# KiCad board panel.kicad_pcb
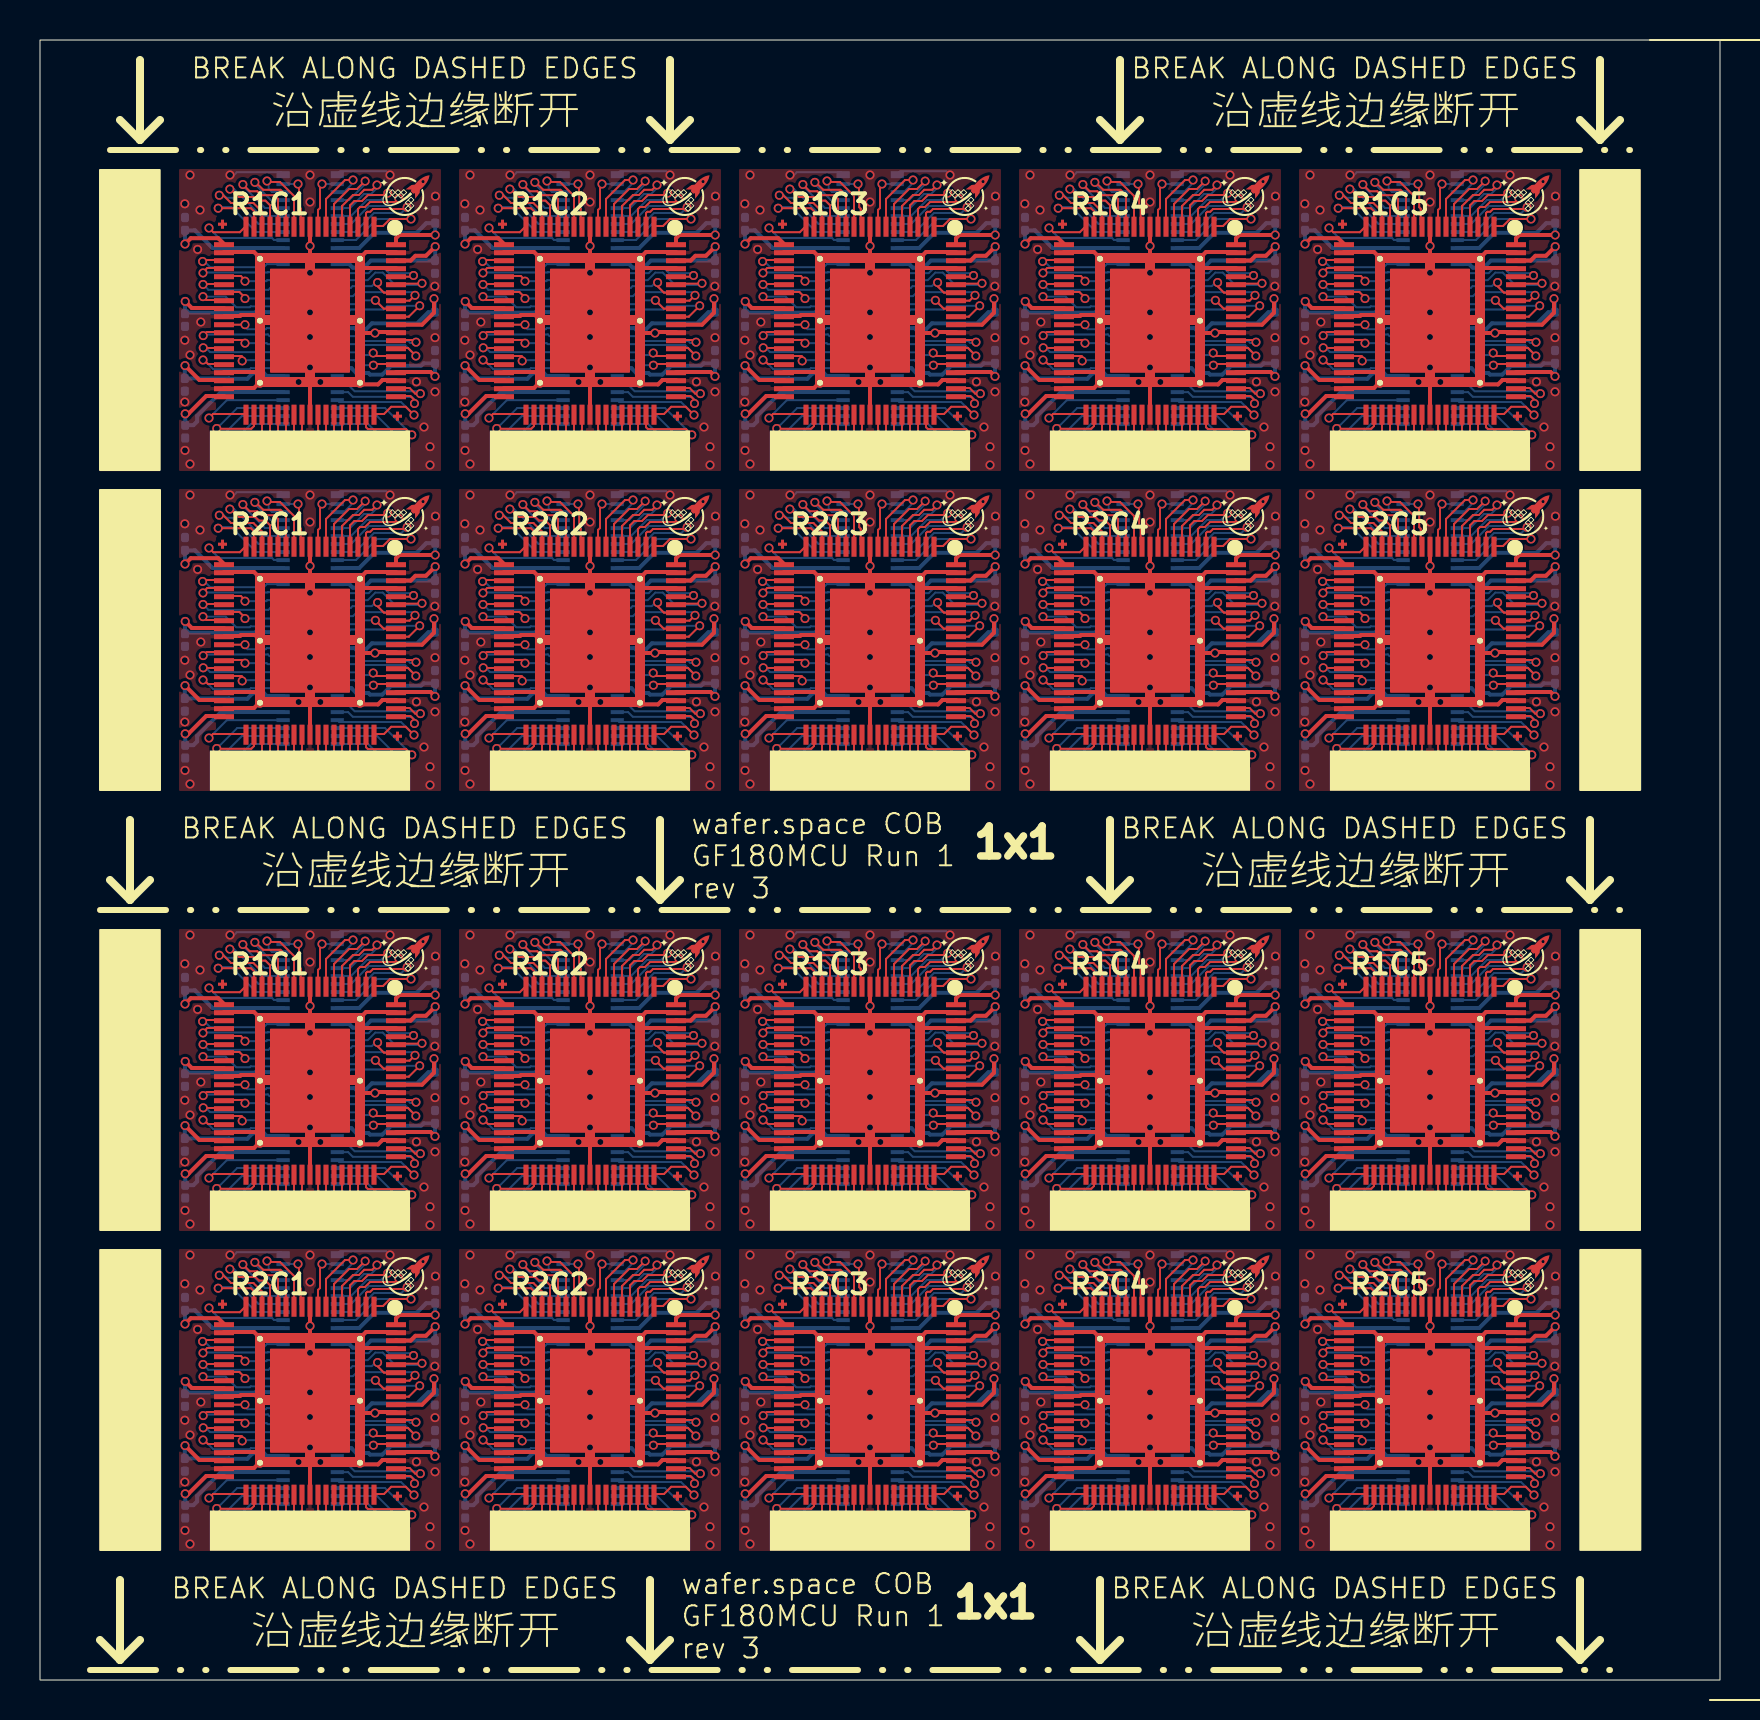
[diagram p0: board, top side]
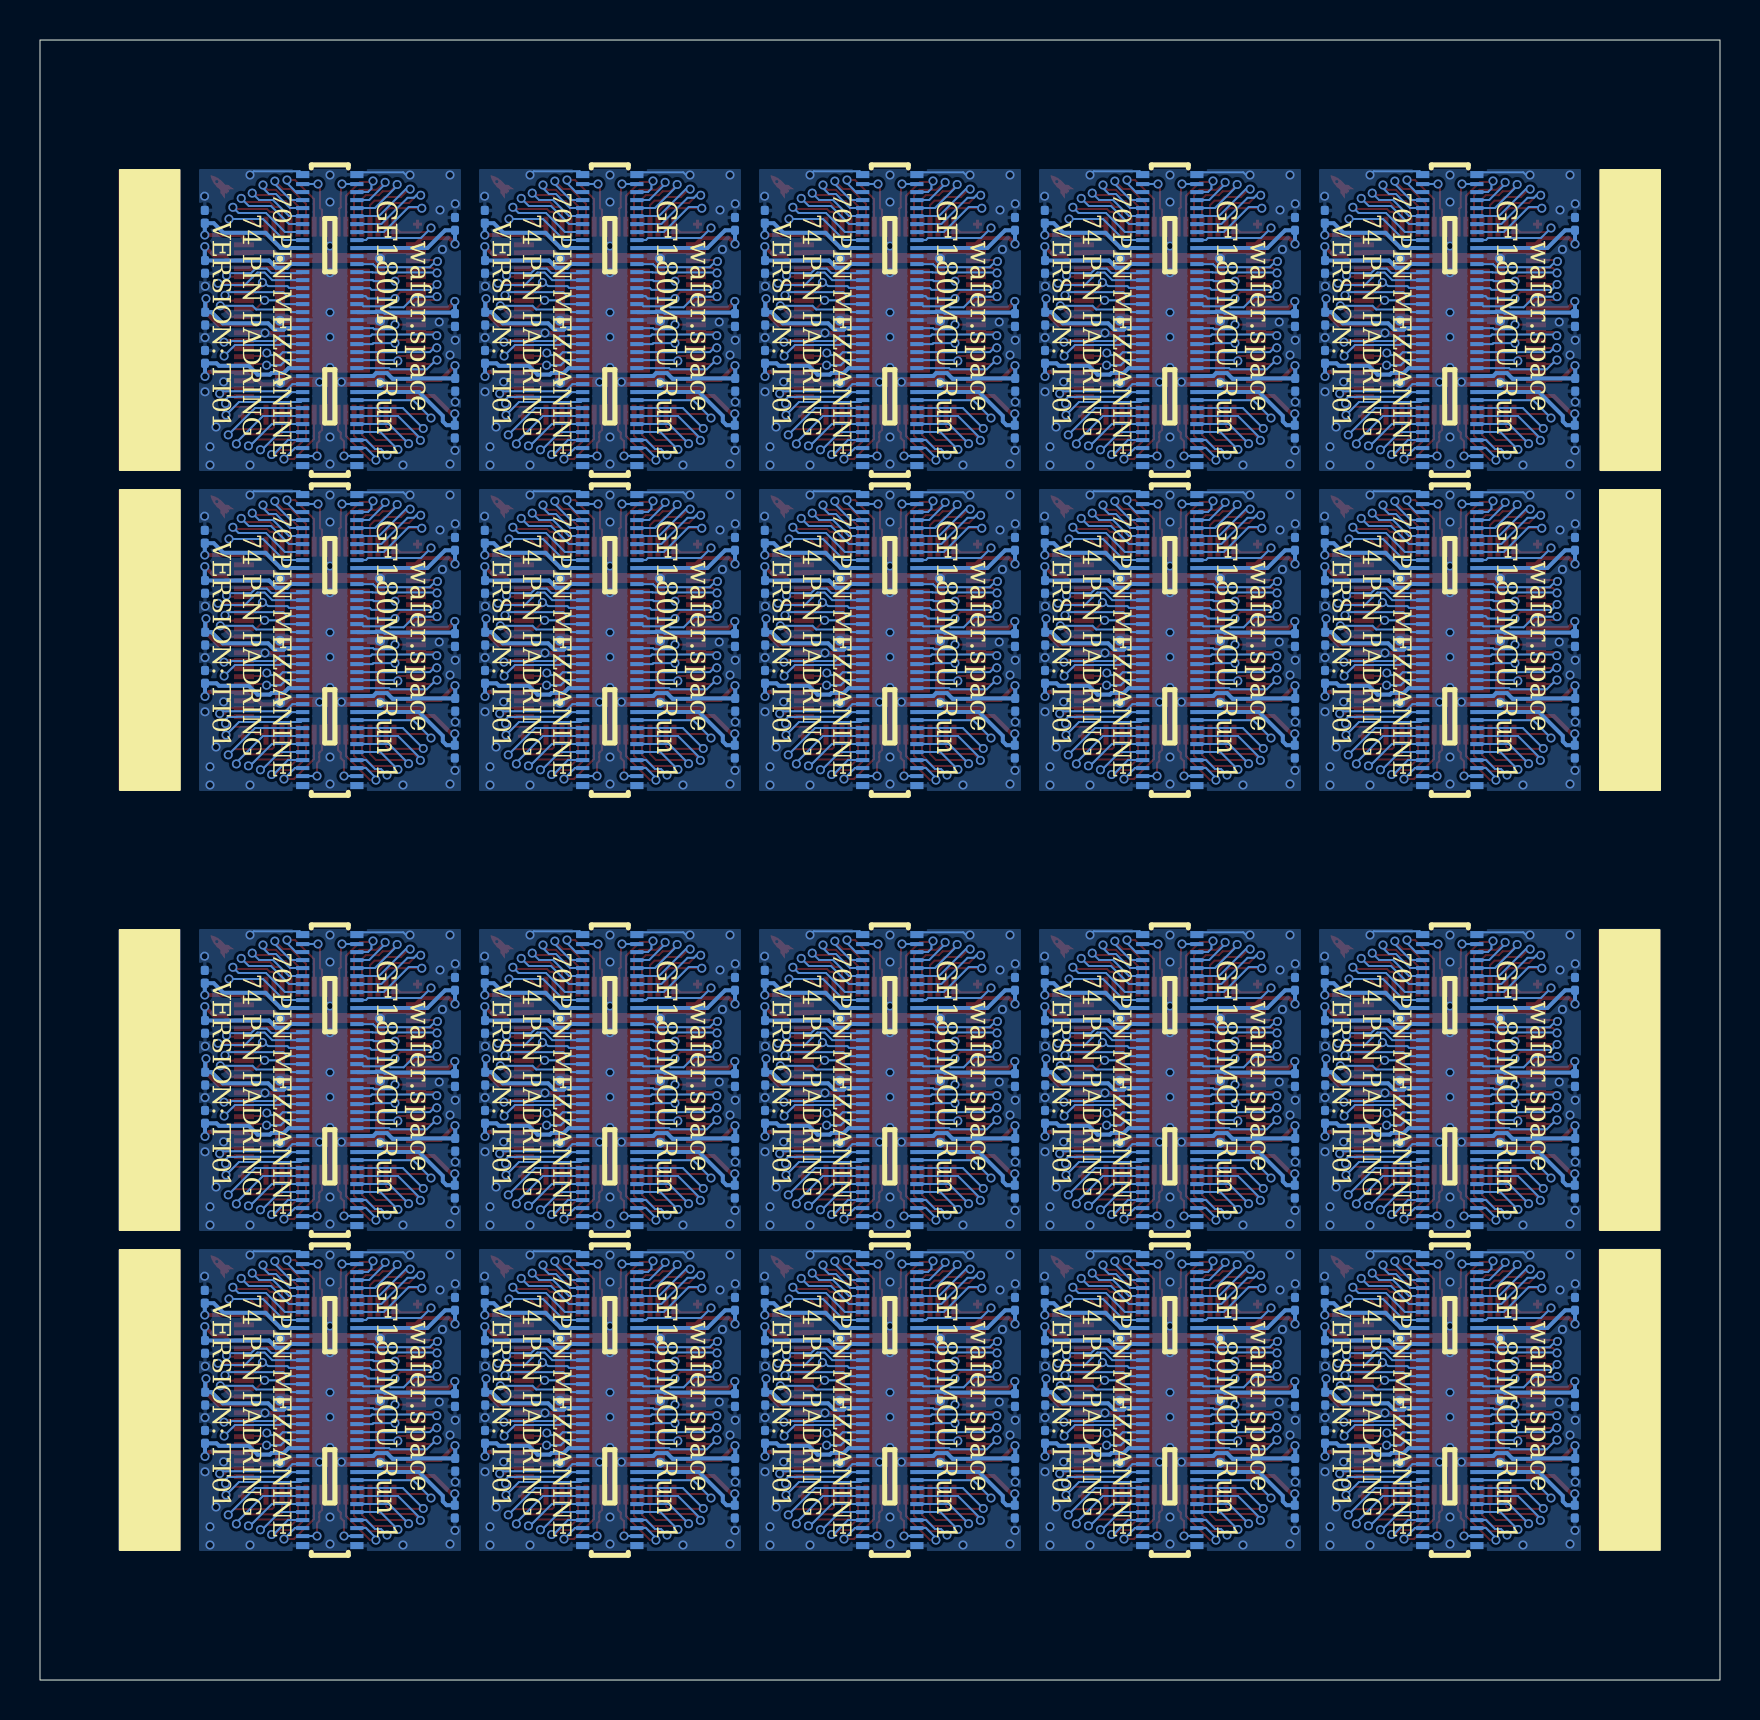
[diagram p1: board, bottom side, seen from below]

Outline 84 x 82 mm; copper layers: Top, In1.Cu, In2.Cu, Bottom. Coordinates in mm from the lower left corner of the outline.
Outline path: rectangle 0,82 84,0
Stack: Top 0.0175mm / dielectric 0.692mm FR4 er 4.5 / In1.Cu 0.035mm / dielectric 0.1957mm FR4 er 4.5 / In2.Cu 0.035mm / dielectric 0.1957mm FR4 er 4.5 / Bottom 0.0175mm

## Placement (name value [footprint] x y rotation side)
C101  1 uF  [C_0201_0603Metric]  7.26 62.42 270 bottom
C101#2  1 uF  [C_0201_0603Metric]  7.26 24.42 270 bottom
C102  1 uF  [C_0201_0603Metric]  19.76 35.16 90 bottom
C102#2  1 uF  [C_0201_0603Metric]  19.76 73.16 90 bottom
C103  1 uF  [C_0201_0603Metric]  7.24 64.76 270 bottom
C103#2  1 uF  [C_0201_0603Metric]  7.24 26.76 270 bottom
C104  1 uF  [C_0201_0603Metric]  19.75 32.66 270 bottom
C104#2  1 uF  [C_0201_0603Metric]  19.75 70.66 270 bottom
C105  1 uF  [C_0201_0603Metric]  7.25 30 270 bottom
C105#2  1 uF  [C_0201_0603Metric]  7.25 68 270 bottom
C106  1 uF  [C_0201_0603Metric]  19.74 68.07 270 bottom
C106#2  1 uF  [C_0201_0603Metric]  19.74 30.07 270 bottom
C107  1 uF  [C_0201_0603Metric]  7.25 34.81 90 bottom
C107#2  1 uF  [C_0201_0603Metric]  7.25 72.81 90 bottom
C108  1 uF  [C_0201_0603Metric]  19.75 28.16 90 bottom
C108#2  1 uF  [C_0201_0603Metric]  19.75 66.16 90 bottom
C109  1 uF  [C_0201_0603Metric]  21.26 62.42 270 bottom
C109#2  1 uF  [C_0201_0603Metric]  21.26 24.42 270 bottom
C110  1 uF  [C_0201_0603Metric]  33.76 35.16 90 bottom
C110#2  1 uF  [C_0201_0603Metric]  33.76 73.16 90 bottom
C111  1 uF  [C_0201_0603Metric]  21.24 64.76 270 bottom
C111#2  1 uF  [C_0201_0603Metric]  21.24 26.76 270 bottom
C112  1 uF  [C_0201_0603Metric]  33.75 70.66 270 bottom
C112#2  1 uF  [C_0201_0603Metric]  33.75 32.66 270 bottom
C113  1 uF  [C_0201_0603Metric]  21.25 30 270 bottom
C113#2  1 uF  [C_0201_0603Metric]  21.25 68 270 bottom
C114  1 uF  [C_0201_0603Metric]  33.74 68.07 270 bottom
C114#2  1 uF  [C_0201_0603Metric]  33.74 30.07 270 bottom
C115  1 uF  [C_0201_0603Metric]  21.25 72.81 90 bottom
C115#2  1 uF  [C_0201_0603Metric]  21.25 34.81 90 bottom
C116  1 uF  [C_0201_0603Metric]  33.75 28.16 90 bottom
C116#2  1 uF  [C_0201_0603Metric]  33.75 66.16 90 bottom
C117  1 uF  [C_0201_0603Metric]  35.26 24.42 270 bottom
C117#2  1 uF  [C_0201_0603Metric]  35.26 62.42 270 bottom
C118  1 uF  [C_0201_0603Metric]  47.76 35.16 90 bottom
C118#2  1 uF  [C_0201_0603Metric]  47.76 73.16 90 bottom
C119  1 uF  [C_0201_0603Metric]  35.24 64.76 270 bottom
C119#2  1 uF  [C_0201_0603Metric]  35.24 26.76 270 bottom
C120  1 uF  [C_0201_0603Metric]  47.75 70.66 270 bottom
C120#2  1 uF  [C_0201_0603Metric]  47.75 32.66 270 bottom
C121  1 uF  [C_0201_0603Metric]  35.25 68 270 bottom
C121#2  1 uF  [C_0201_0603Metric]  35.25 30 270 bottom
C122  1 uF  [C_0201_0603Metric]  47.74 68.07 270 bottom
C122#2  1 uF  [C_0201_0603Metric]  47.74 30.07 270 bottom
C123  1 uF  [C_0201_0603Metric]  35.25 34.81 90 bottom
C123#2  1 uF  [C_0201_0603Metric]  35.25 72.81 90 bottom
C124  1 uF  [C_0201_0603Metric]  47.75 28.16 90 bottom
C124#2  1 uF  [C_0201_0603Metric]  47.75 66.16 90 bottom
C125  1 uF  [C_0201_0603Metric]  49.26 24.42 270 bottom
C125#2  1 uF  [C_0201_0603Metric]  49.26 62.42 270 bottom
C126  1 uF  [C_0201_0603Metric]  61.76 73.16 90 bottom
C126#2  1 uF  [C_0201_0603Metric]  61.76 35.16 90 bottom
C127  1 uF  [C_0201_0603Metric]  49.24 64.76 270 bottom
C127#2  1 uF  [C_0201_0603Metric]  49.24 26.76 270 bottom
C128  1 uF  [C_0201_0603Metric]  61.75 70.66 270 bottom
C128#2  1 uF  [C_0201_0603Metric]  61.75 32.66 270 bottom
C129  1 uF  [C_0201_0603Metric]  49.25 68 270 bottom
C129#2  1 uF  [C_0201_0603Metric]  49.25 30 270 bottom
C130  1 uF  [C_0201_0603Metric]  61.74 68.07 270 bottom
C130#2  1 uF  [C_0201_0603Metric]  61.74 30.07 270 bottom
C131  1 uF  [C_0201_0603Metric]  49.25 72.81 90 bottom
C131#2  1 uF  [C_0201_0603Metric]  49.25 34.81 90 bottom
C132  1 uF  [C_0201_0603Metric]  61.75 28.16 90 bottom
C132#2  1 uF  [C_0201_0603Metric]  61.75 66.16 90 bottom
C133  1 uF  [C_0201_0603Metric]  63.26 24.42 270 bottom
C133#2  1 uF  [C_0201_0603Metric]  63.26 62.42 270 bottom
C134  1 uF  [C_0201_0603Metric]  75.76 35.16 90 bottom
C134#2  1 uF  [C_0201_0603Metric]  75.76 73.16 90 bottom
C135  1 uF  [C_0201_0603Metric]  63.24 64.76 270 bottom
C135#2  1 uF  [C_0201_0603Metric]  63.24 26.76 270 bottom
C136  1 uF  [C_0201_0603Metric]  75.75 32.66 270 bottom
C136#2  1 uF  [C_0201_0603Metric]  75.75 70.66 270 bottom
C137  1 uF  [C_0201_0603Metric]  63.25 68 270 bottom
C137#2  1 uF  [C_0201_0603Metric]  63.25 30 270 bottom
C138  1 uF  [C_0201_0603Metric]  75.74 68.07 270 bottom
C138#2  1 uF  [C_0201_0603Metric]  75.74 30.07 270 bottom
C139  1 uF  [C_0201_0603Metric]  63.25 72.81 90 bottom
C139#2  1 uF  [C_0201_0603Metric]  63.25 34.81 90 bottom
C140  1 uF  [C_0201_0603Metric]  75.75 28.16 90 bottom
C140#2  1 uF  [C_0201_0603Metric]  75.75 66.16 90 bottom
C141  1 uF  [C_0201_0603Metric]  7.26 8.42 270 bottom
C141#2  1 uF  [C_0201_0603Metric]  7.26 46.42 270 bottom
C142  1 uF  [C_0201_0603Metric]  19.76 57.16 90 bottom
C142#2  1 uF  [C_0201_0603Metric]  19.76 19.16 90 bottom
C143  1 uF  [C_0201_0603Metric]  7.24 10.76 270 bottom
C143#2  1 uF  [C_0201_0603Metric]  7.24 48.76 270 bottom
C144  1 uF  [C_0201_0603Metric]  19.75 54.66 270 bottom
C144#2  1 uF  [C_0201_0603Metric]  19.75 16.66 270 bottom
C145  1 uF  [C_0201_0603Metric]  7.25 14 270 bottom
C145#2  1 uF  [C_0201_0603Metric]  7.25 52 270 bottom
C146  1 uF  [C_0201_0603Metric]  19.74 52.07 270 bottom
C146#2  1 uF  [C_0201_0603Metric]  19.74 14.07 270 bottom
C147  1 uF  [C_0201_0603Metric]  7.25 56.81 90 bottom
C147#2  1 uF  [C_0201_0603Metric]  7.25 18.81 90 bottom
C148  1 uF  [C_0201_0603Metric]  19.75 12.16 90 bottom
C148#2  1 uF  [C_0201_0603Metric]  19.75 50.16 90 bottom
C149  1 uF  [C_0201_0603Metric]  21.26 46.42 270 bottom
C149#2  1 uF  [C_0201_0603Metric]  21.26 8.42 270 bottom
C150  1 uF  [C_0201_0603Metric]  33.76 19.16 90 bottom
C150#2  1 uF  [C_0201_0603Metric]  33.76 57.16 90 bottom
C151  1 uF  [C_0201_0603Metric]  21.24 10.76 270 bottom
C151#2  1 uF  [C_0201_0603Metric]  21.24 48.76 270 bottom
C152  1 uF  [C_0201_0603Metric]  33.75 54.66 270 bottom
C152#2  1 uF  [C_0201_0603Metric]  33.75 16.66 270 bottom
C153  1 uF  [C_0201_0603Metric]  21.25 52 270 bottom
C153#2  1 uF  [C_0201_0603Metric]  21.25 14 270 bottom
C154  1 uF  [C_0201_0603Metric]  33.74 14.07 270 bottom
C154#2  1 uF  [C_0201_0603Metric]  33.74 52.07 270 bottom
C155  1 uF  [C_0201_0603Metric]  21.25 18.81 90 bottom
C155#2  1 uF  [C_0201_0603Metric]  21.25 56.81 90 bottom
C156  1 uF  [C_0201_0603Metric]  33.75 12.16 90 bottom
C156#2  1 uF  [C_0201_0603Metric]  33.75 50.16 90 bottom
C157  1 uF  [C_0201_0603Metric]  35.26 8.42 270 bottom
C157#2  1 uF  [C_0201_0603Metric]  35.26 46.42 270 bottom
C158  1 uF  [C_0201_0603Metric]  47.76 19.16 90 bottom
C158#2  1 uF  [C_0201_0603Metric]  47.76 57.16 90 bottom
C159  1 uF  [C_0201_0603Metric]  35.24 10.76 270 bottom
C159#2  1 uF  [C_0201_0603Metric]  35.24 48.76 270 bottom
C160  1 uF  [C_0201_0603Metric]  47.75 16.66 270 bottom
C160#2  1 uF  [C_0201_0603Metric]  47.75 54.66 270 bottom
C161  1 uF  [C_0201_0603Metric]  35.25 52 270 bottom
C161#2  1 uF  [C_0201_0603Metric]  35.25 14 270 bottom
C162  1 uF  [C_0201_0603Metric]  47.74 52.07 270 bottom
C162#2  1 uF  [C_0201_0603Metric]  47.74 14.07 270 bottom
C163  1 uF  [C_0201_0603Metric]  35.25 56.81 90 bottom
C163#2  1 uF  [C_0201_0603Metric]  35.25 18.81 90 bottom
C164  1 uF  [C_0201_0603Metric]  47.75 50.16 90 bottom
C164#2  1 uF  [C_0201_0603Metric]  47.75 12.16 90 bottom
C165  1 uF  [C_0201_0603Metric]  49.26 8.42 270 bottom
C165#2  1 uF  [C_0201_0603Metric]  49.26 46.42 270 bottom
C166  1 uF  [C_0201_0603Metric]  61.76 19.16 90 bottom
C166#2  1 uF  [C_0201_0603Metric]  61.76 57.16 90 bottom
C167  1 uF  [C_0201_0603Metric]  49.24 48.76 270 bottom
C167#2  1 uF  [C_0201_0603Metric]  49.24 10.76 270 bottom
C168  1 uF  [C_0201_0603Metric]  61.75 54.66 270 bottom
C168#2  1 uF  [C_0201_0603Metric]  61.75 16.66 270 bottom
C169  1 uF  [C_0201_0603Metric]  49.25 14 270 bottom
C169#2  1 uF  [C_0201_0603Metric]  49.25 52 270 bottom
C170  1 uF  [C_0201_0603Metric]  61.74 52.07 270 bottom
C170#2  1 uF  [C_0201_0603Metric]  61.74 14.07 270 bottom
C171  1 uF  [C_0201_0603Metric]  49.25 18.81 90 bottom
C171#2  1 uF  [C_0201_0603Metric]  49.25 56.81 90 bottom
C172  1 uF  [C_0201_0603Metric]  61.75 12.16 90 bottom
C172#2  1 uF  [C_0201_0603Metric]  61.75 50.16 90 bottom
C173  1 uF  [C_0201_0603Metric]  63.26 46.42 270 bottom
C173#2  1 uF  [C_0201_0603Metric]  63.26 8.42 270 bottom
C174  1 uF  [C_0201_0603Metric]  75.76 57.16 90 bottom
C174#2  1 uF  [C_0201_0603Metric]  75.76 19.16 90 bottom
C175  1 uF  [C_0201_0603Metric]  63.24 10.76 270 bottom
C175#2  1 uF  [C_0201_0603Metric]  63.24 48.76 270 bottom
C176  1 uF  [C_0201_0603Metric]  75.75 54.66 270 bottom
C176#2  1 uF  [C_0201_0603Metric]  75.75 16.66 270 bottom
C177  1 uF  [C_0201_0603Metric]  63.25 14 270 bottom
C177#2  1 uF  [C_0201_0603Metric]  63.25 52 270 bottom
C178  1 uF  [C_0201_0603Metric]  75.74 52.07 270 bottom
C178#2  1 uF  [C_0201_0603Metric]  75.74 14.07 270 bottom
C179  1 uF  [C_0201_0603Metric]  63.25 18.81 90 bottom
C179#2  1 uF  [C_0201_0603Metric]  63.25 56.81 90 bottom
C180  1 uF  [C_0201_0603Metric]  75.75 50.16 90 bottom
C180#2  1 uF  [C_0201_0603Metric]  75.75 12.16 90 bottom
G***  LOGO  [waferspace_pin1_silk]  18.29 74.31 0 top
G***1  LOGO  [waferspace_pin1_silk]  32.29 74.31 0 top
G***1#2  LOGO  [waferspace_pin1_silk]  32.29 36.31 0 top
G***2  LOGO  [waferspace_pin1_silk]  46.29 36.31 0 top
G***2#2  LOGO  [waferspace_pin1_silk]  46.29 74.31 0 top
G***3  LOGO  [waferspace_pin1_silk]  60.29 36.31 0 top
G***3#2  LOGO  [waferspace_pin1_silk]  60.29 74.31 0 top
G***4  LOGO  [waferspace_pin1_silk]  74.29 36.31 0 top
G***4#2  LOGO  [waferspace_pin1_silk]  74.29 74.31 0 top
G***5  LOGO  [waferspace_pin1_silk]  18.29 20.31 0 top
G***5#2  LOGO  [waferspace_pin1_silk]  18.29 58.31 0 top
G***6  LOGO  [waferspace_pin1_silk]  32.29 58.31 0 top
G***6#2  LOGO  [waferspace_pin1_silk]  32.29 20.31 0 top
G***7  LOGO  [waferspace_pin1_silk]  46.29 20.31 0 top
G***7#2  LOGO  [waferspace_pin1_silk]  46.29 58.31 0 top
G***8  LOGO  [waferspace_pin1_silk]  60.29 58.31 0 top
G***8#2  LOGO  [waferspace_pin1_silk]  60.29 20.31 0 top
G***9  LOGO  [waferspace_pin1_silk]  74.29 58.31 0 top
G***9#2  LOGO  [waferspace_pin1_silk]  74.29 20.31 0 top
G***#2  LOGO  [waferspace_pin1_silk]  18.29 36.31 0 top
U101  ~  [CONN-SMD_70P-P0.40_HCTL_HC-PBB40C-70DP-0.4V-02]  13.51 30 270 bottom
U101#2  ~  [CONN-SMD_70P-P0.40_HCTL_HC-PBB40C-70DP-0.4V-02]  13.51 68 270 bottom
U102  ~  [waferspace_default_padring_v0.2]  13.5 67.97 0 top  (not fitted)
U102#2  ~  [waferspace_default_padring_v0.2]  13.5 29.97 0 top  (not fitted)
U103  ~  [CONN-SMD_70P-P0.40_HCTL_HC-PBB40C-70DP-0.4V-02]  27.51 30 270 bottom
U103#2  ~  [CONN-SMD_70P-P0.40_HCTL_HC-PBB40C-70DP-0.4V-02]  27.51 68 270 bottom
U104  ~  [waferspace_default_padring_v0.2]  27.5 29.97 0 top  (not fitted)
U104#2  ~  [waferspace_default_padring_v0.2]  27.5 67.97 0 top  (not fitted)
U105  ~  [CONN-SMD_70P-P0.40_HCTL_HC-PBB40C-70DP-0.4V-02]  41.51 68 270 bottom
U105#2  ~  [CONN-SMD_70P-P0.40_HCTL_HC-PBB40C-70DP-0.4V-02]  41.51 30 270 bottom
U106  ~  [waferspace_default_padring_v0.2]  41.5 67.97 0 top  (not fitted)
U106#2  ~  [waferspace_default_padring_v0.2]  41.5 29.97 0 top  (not fitted)
U107  ~  [CONN-SMD_70P-P0.40_HCTL_HC-PBB40C-70DP-0.4V-02]  55.51 68 270 bottom
U107#2  ~  [CONN-SMD_70P-P0.40_HCTL_HC-PBB40C-70DP-0.4V-02]  55.51 30 270 bottom
U108  ~  [waferspace_default_padring_v0.2]  55.5 29.97 0 top  (not fitted)
U108#2  ~  [waferspace_default_padring_v0.2]  55.5 67.97 0 top  (not fitted)
U109  ~  [CONN-SMD_70P-P0.40_HCTL_HC-PBB40C-70DP-0.4V-02]  69.51 30 270 bottom
U109#2  ~  [CONN-SMD_70P-P0.40_HCTL_HC-PBB40C-70DP-0.4V-02]  69.51 68 270 bottom
U110  ~  [waferspace_default_padring_v0.2]  69.5 29.97 0 top  (not fitted)
U110#2  ~  [waferspace_default_padring_v0.2]  69.5 67.97 0 top  (not fitted)
U111  ~  [CONN-SMD_70P-P0.40_HCTL_HC-PBB40C-70DP-0.4V-02]  13.51 14 270 bottom
U111#2  ~  [CONN-SMD_70P-P0.40_HCTL_HC-PBB40C-70DP-0.4V-02]  13.51 52 270 bottom
U112  ~  [waferspace_default_padring_v0.2]  13.5 13.97 0 top  (not fitted)
U112#2  ~  [waferspace_default_padring_v0.2]  13.5 51.97 0 top  (not fitted)
U113  ~  [CONN-SMD_70P-P0.40_HCTL_HC-PBB40C-70DP-0.4V-02]  27.51 14 270 bottom
U113#2  ~  [CONN-SMD_70P-P0.40_HCTL_HC-PBB40C-70DP-0.4V-02]  27.51 52 270 bottom
U114  ~  [waferspace_default_padring_v0.2]  27.5 51.97 0 top  (not fitted)
U114#2  ~  [waferspace_default_padring_v0.2]  27.5 13.97 0 top  (not fitted)
U115  ~  [CONN-SMD_70P-P0.40_HCTL_HC-PBB40C-70DP-0.4V-02]  41.51 52 270 bottom
U115#2  ~  [CONN-SMD_70P-P0.40_HCTL_HC-PBB40C-70DP-0.4V-02]  41.51 14 270 bottom
U116  ~  [waferspace_default_padring_v0.2]  41.5 13.97 0 top  (not fitted)
U116#2  ~  [waferspace_default_padring_v0.2]  41.5 51.97 0 top  (not fitted)
U117  ~  [CONN-SMD_70P-P0.40_HCTL_HC-PBB40C-70DP-0.4V-02]  55.51 52 270 bottom
U117#2  ~  [CONN-SMD_70P-P0.40_HCTL_HC-PBB40C-70DP-0.4V-02]  55.51 14 270 bottom
U118  ~  [waferspace_default_padring_v0.2]  55.5 13.97 0 top  (not fitted)
U118#2  ~  [waferspace_default_padring_v0.2]  55.5 51.97 0 top  (not fitted)
U119  ~  [CONN-SMD_70P-P0.40_HCTL_HC-PBB40C-70DP-0.4V-02]  69.51 52 270 bottom
U119#2  ~  [CONN-SMD_70P-P0.40_HCTL_HC-PBB40C-70DP-0.4V-02]  69.51 14 270 bottom
U120  ~  [waferspace_default_padring_v0.2]  69.5 13.97 0 top  (not fitted)
U120#2  ~  [waferspace_default_padring_v0.2]  69.5 51.97 0 top  (not fitted)

## Library data of the parts
C101 C101#2 C102 C102#2 C103 C103#2 C104 C104#2 C105 C105#2 C106 C106#2 C107 C107#2 C108 C108#2 C109 C109#2 C110 C110#2 C111 C111#2 C112 C112#2 C113 C113#2 C114 C114#2 C115 C115#2 C116 C116#2 C117 C117#2 C118 C118#2 C119 C119#2 C120 C120#2 C121 C121#2 C122 C122#2 C123 C123#2 C124 C124#2 C125 C125#2 C126 C126#2 C127 C127#2 C128 C128#2 C129 C129#2 C130 C130#2 C131 C131#2 C132 C132#2 C133 C133#2 C134 C134#2 C135 C135#2 C136 C136#2 C137 C137#2 C138 C138#2 C139 C139#2 C140 C140#2 C141 C141#2 C142 C142#2 C143 C143#2 C144 C144#2 C145 C145#2 C146 C146#2 C147 C147#2 C148 C148#2 C149 C149#2 C150 C150#2 C151 C151#2 C152 C152#2 C153 C153#2 C154 C154#2 C155 C155#2 C156 C156#2 C157 C157#2 C158 C158#2 C159 C159#2 C160 C160#2 C161 C161#2 C162 C162#2 C163 C163#2 C164 C164#2 C165 C165#2 C166 C166#2 C167 C167#2 C168 C168#2 C169 C169#2 C170 C170#2 C171 C171#2 C172 C172#2 C173 C173#2 C174 C174#2 C175 C175#2 C176 C176#2 C177 C177#2 C178 C178#2 C179 C179#2 C180 C180#2 = -: Description: Unpolarized capacitor, small symbol; ki_fp_filters: C_*
